# Altium PCB Cubli.PcbDoc (part 2 of 5) (continued)
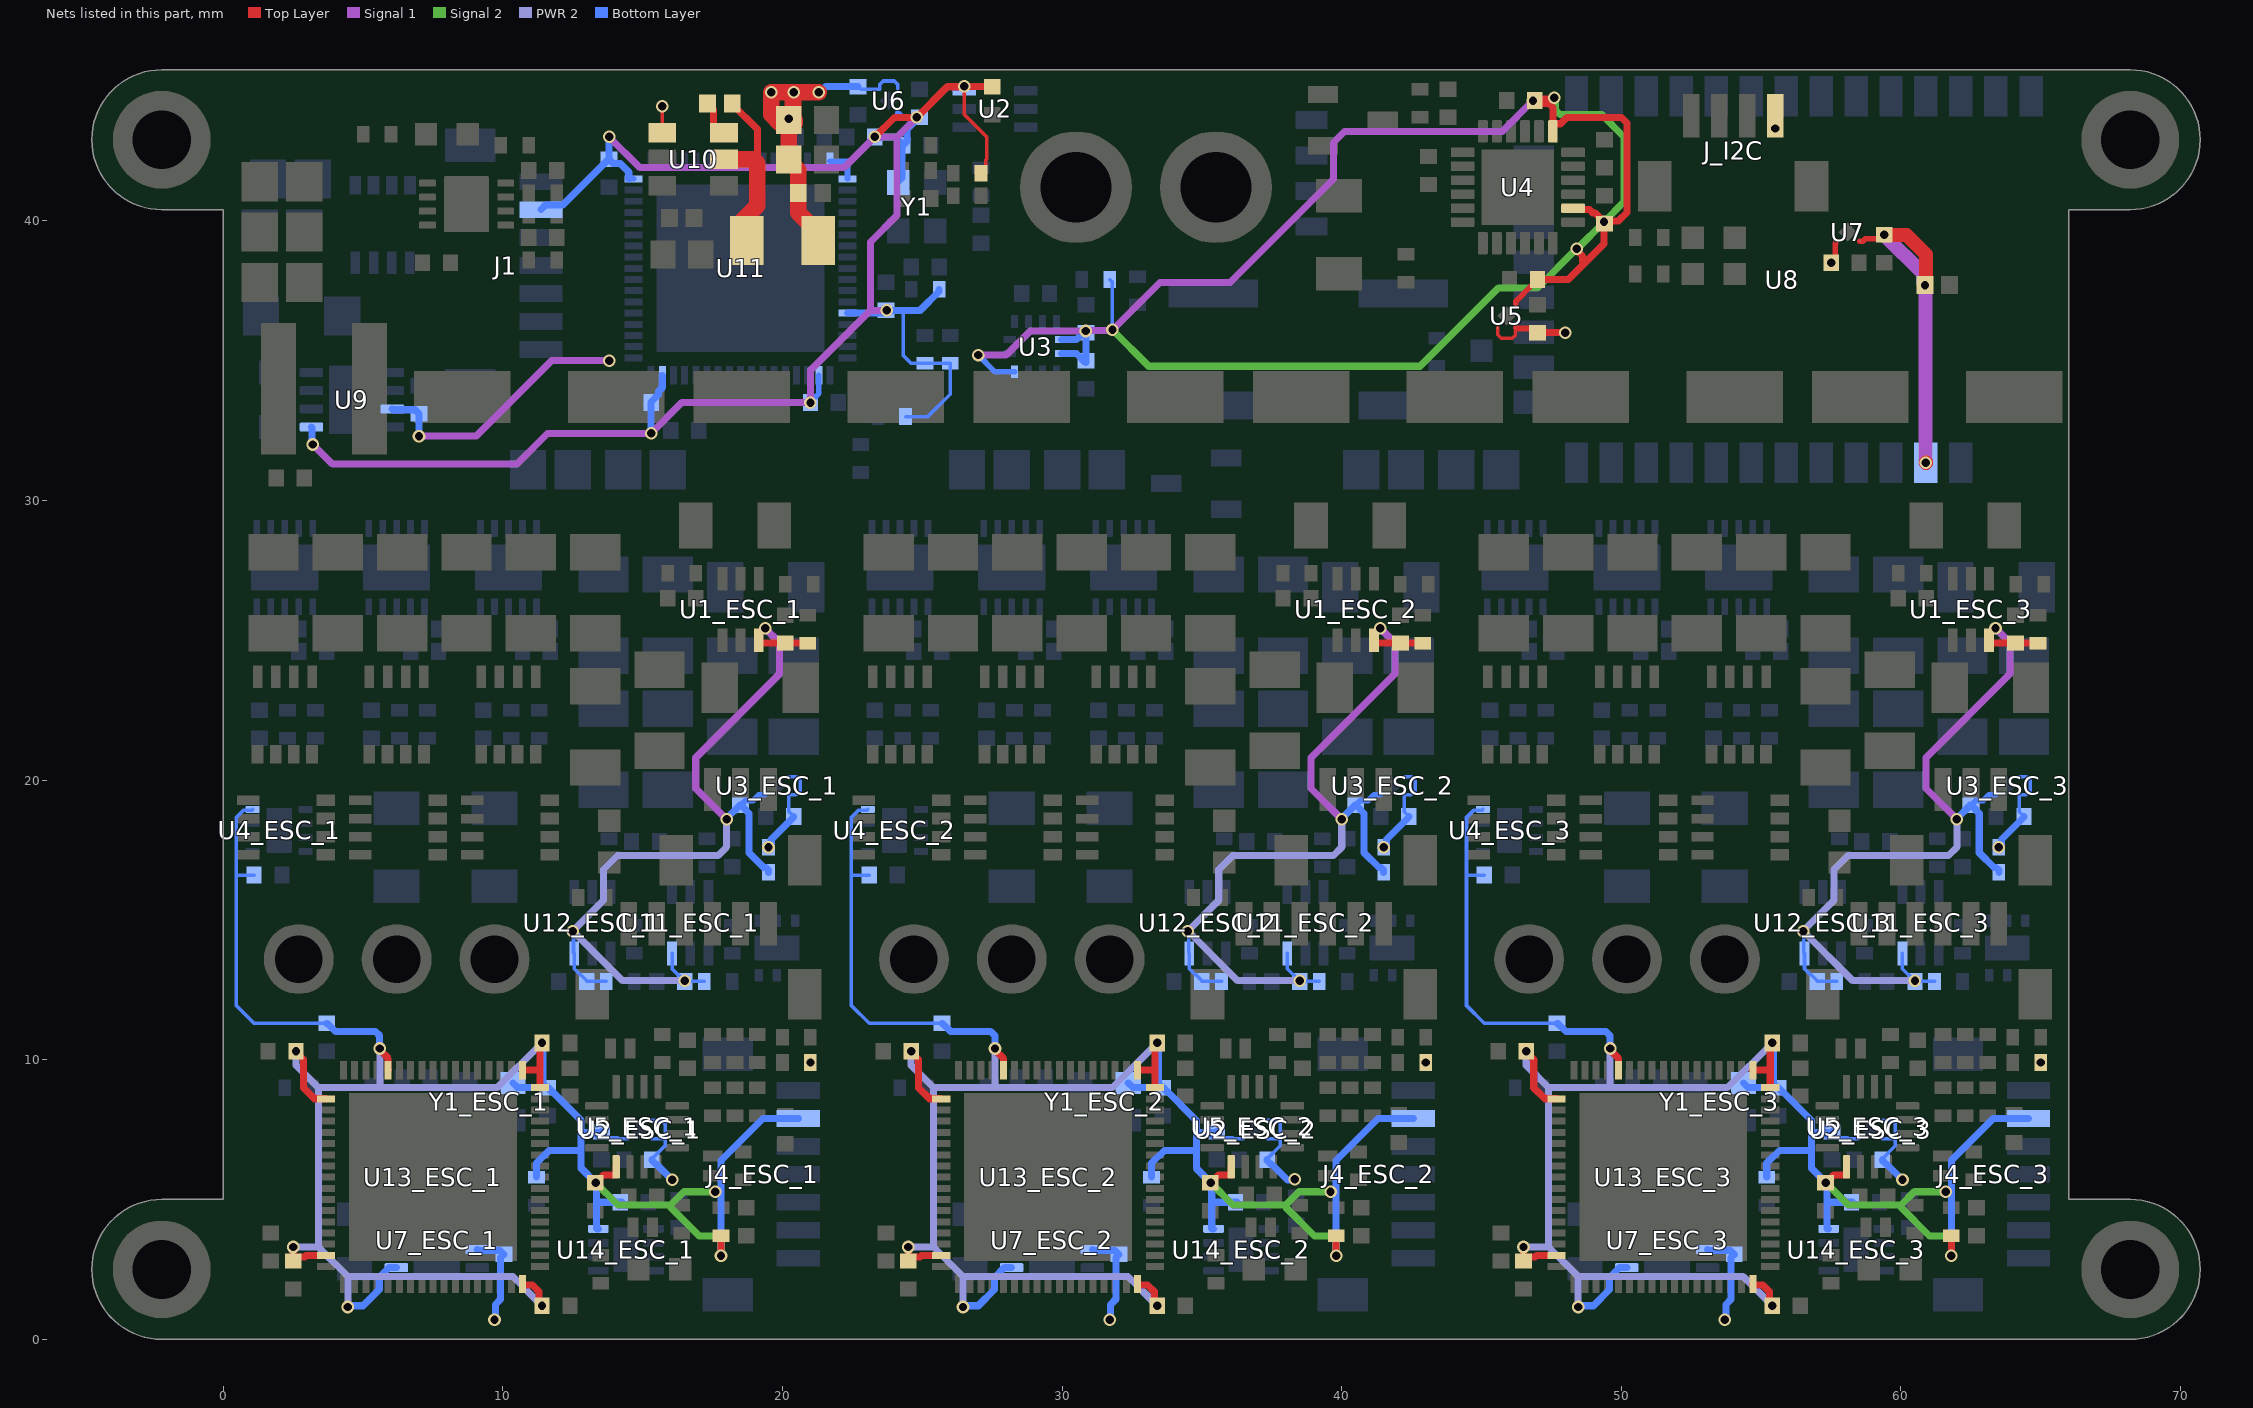
[diagram p8: the nets of this part, all layers, seen from the top]
## Part data (continued)
L2: library part MLP2520S4R7ST0S1, "FIXED IND 4.7UH 1A 110 MOHM SMD", Current Rating (Amps)=1A, DC Resistance (DCR)="143mOhm Max", Device Package="1008 (2520 Metric)", Inductance Frequency - Test=2MHz, Manufacturer="TDK Corporation", Operating Temperature="-40°C ~ 125°C", Supplier Part Number 1=445-6378-1-ND, Tolerance=±20%, ComponentLink1Description=Datasheet, ComponentLink1URL=https://product.tdk.com/info/en/catalog/datasheets/inductor_commercial_power_mlp2520_en.pdf?ref_disty=digikey, ComponentLink2Description="DigiKey Link", ComponentLink2URL=http://digikey.com/product-detail/en/tdk-corporation/MLP2520S4R7ST0S1/445-6378-1-ND/2465705, Height - Seated (Max)="0.039\" (1.00mm)", Inductance=4.7µH, LastUpdated="9/2/2020 1:29:23 AM", Lifecycle Status=Active, Material - Core=Ferrite, Minimum Order=1, Mounting Type="Surface Mount", Package / Case="1008 (2520 Metric)", Packaging=TapeAndReel, Part Number=MLP2520S4R7ST0S1, Part Status=Active, PartId=3467, Price=0.14, Series=MLP, Shielding=Shielded, Size / Dimension="0.098\" L x 0.079\" W (2.50mm x 2.00mm)", Supplier 1=DigiKey, Supplier Device Package="1008 (2520 Metric)", Type=Multilayer
Q1 Q1_ESC_1 Q1_ESC_2 Q1_ESC_3 Q2_ESC_1 Q2_ESC_2 Q2_ESC_3 Q3_ESC_1 Q3_ESC_2 Q3_ESC_3 Q4_ESC_1 Q4_ESC_2 Q4_ESC_3 Q5_ESC_1 Q5_ESC_2 Q5_ESC_3 Q6_ESC_1 Q6_ESC_2 Q6_ESC_3: "N-FET"
Q2 Q4: library part CMP-013-00037-2, "Small Signal Field-Effect Transistor", Max Operating Temperature=175°C, Min Operating Temperature=-55°C, RoHS Compliant=Yes, Transistor Type=n-FET
Q3: library part CMP-013-00035-1, "Power Field-Effect Transistor, 120A I(D), 60V, 0.0014ohm, 1-Element, N-Channel, Silicon, Metal-oxide Semiconductor FET", Case/Package=8-PowerVDFN, Max Operating Temperature=175°C, Min Operating Temperature=-55°C, Power=4.8W, Pins=8, RoHS Compliant=Yes, Transistor Type=n-FET
R1 R2_ESC_1 R2_ESC_2 R2_ESC_3 R3 R3_ESC_1 R3_ESC_2 R3_ESC_3 R4 R4_ESC_1 R4_ESC_2 R4_ESC_3 R5 R5_ESC_1 R5_ESC_2 R5_ESC_3 R6 R6_ESC_1 R6_ESC_2 R6_ESC_3 R7 R7_ESC_1 R7_ESC_2 R7_ESC_3 R8 R8_ESC_1 R8_ESC_2 R8_ESC_3 R9 R10 R10_ESC_1 R10_ESC_2 R10_ESC_3 R11_ESC_1 R11_ESC_2 R11_ESC_3 R12 R12_ESC_1 R12_ESC_2 R12_ESC_3 R13 R14 R15 R15_ESC_1 R15_ESC_2 R15_ESC_3 R16 R16_ESC_1 R16_ESC_2 R16_ESC_3 R17 R17_ESC_1 R17_ESC_2 R17_ESC_3 R18 R18_ESC_1 R18_ESC_2 R18_ESC_3 R19 R19_ESC_1 R19_ESC_2 R19_ESC_3 R20 R20_ESC_1 R20_ESC_2 R20_ESC_3 R21 R21_ESC_1 R21_ESC_2 R21_ESC_3 R22 R22_ESC_1 R22_ESC_2 R22_ESC_3 R23 R23_ESC_1 R23_ESC_2 R23_ESC_3 R24 R24_ESC_1 R24_ESC_2 R24_ESC_3 R25_ESC_1 R25_ESC_2 R25_ESC_3 R26_ESC_1 R26_ESC_2 R26_ESC_3 R27_ESC_1 R27_ESC_2 R27_ESC_3 R28_ESC_1 R28_ESC_2 R28_ESC_3 R29_ESC_1 R29_ESC_2 R29_ESC_3 R30_ESC_1 R30_ESC_2 R30_ESC_3 R31_ESC_1 R31_ESC_2 R31_ESC_3 R32_ESC_1 R32_ESC_2 R32_ESC_3 R33_ESC_1 R33_ESC_2 R33_ESC_3 R34_ESC_1 R34_ESC_2 R34_ESC_3 R35_ESC_1 R35_ESC_2 R35_ESC_3 R36_ESC_1 R36_ESC_2 R36_ESC_3 R37_ESC_1 R37_ESC_2 R37_ESC_3 R38_ESC_1 R38_ESC_2 R38_ESC_3: library part RES_0402, "RES 0402"
R1_ESC_1 R1_ESC_2 R1_ESC_3 R2 R13_ESC_1 R13_ESC_2 R13_ESC_3 R14_ESC_1 R14_ESC_2 R14_ESC_3: library part KRL1632E-M-R039-F-T5, "RES 0.039 OHM 1% 3/4W 1206", Device Package="1206 (3216 Metric)", Manufacturer=Susumu, Operating Temperature="-55°C ~ 155°C", Power (Watts)="0.75W, 3/4W", Ratings=AEC-Q200, Resistance="39 mOhms", Supplier Device Package=1206, Supplier Part Number 1=408-1577-1-ND, Temperature Coefficient=±50ppm/°C, Tolerance=±1%, ComponentLink1Description=Datasheet, ComponentLink1URL=http://www.susumu.co.jp/common/pdf/n_catalog_partition09_en.pdf, ComponentLink2Description="DigiKey Link", ComponentLink2URL=https://www.digikey.com/en/products/detail/susumu/KRL1632E-M-R039-F-T5/3738003, Composition="Metal Foil", Features="Automotive AEC-Q200, Current Sense", Height - Seated (Max)="0.028\" (0.70mm)", LastUpdated="2/9/2024 8:54:46 PM", Lifecycle Status=Active, Minimum Order=1, Number of Terminations=2, Package / Case="1206 (3216 Metric)", Packaging=TapeAndReel, Part Number=KRL1632E-M-R039-F-T5, Part Status=Active, PartId=26838, Price=0.09, Series=KRL, Size / Dimension="0.126\" L x 0.063\" W (3.20mm x 1.60mm)", Supplier 1=DigiKey
R9_ESC_1 R9_ESC_2 R9_ESC_3 R11: library part CMP-009-00189-2, "Res 60.4 Ohm 1% 1/8W 0805", Case/Package=0805, Power=125mW, Tolerance=1%, AECQ=Yes, Manufacturer Part Number=TFA0805R60R4F-T5, Mounting Technology=SMD, Pins=2
S1: "SWITCH TACTILE SPST-NO 0.02A 15V", Contact Rating @ Voltage="0.02A @ 15VDC", Manufacturer="Panasonic Electronic Components", Operating Force=350gf, Operating Temperature="-40°C ~ 85°C", Supplier Part Number 1=P12961SCT-ND, Actuator Height off PCB, Vertical=3.10mm, Actuator Orientation="Top Actuated", Actuator Type=Standard, Circuit=SPST-NO, ComponentLink1Description=Datasheet, ComponentLink1URL=https://industrial.panasonic.com/ac/cdn/e/control/switch/light-touch/catalog/sw_lt_eng_6s_th.pdf, ComponentLink2Description="DigiKey Link", ComponentLink2URL=http://digikey.com/product-detail/en/panasonic-electronic-components/EVQ-Q2Y03W/P12961SCT-ND/762951, Illumination=Non-Illuminated, LastUpdated="4/9/2020 9:55:13 AM", Lifecycle Status=Active, Minimum Order=1, Mounting Type="Surface Mount", Outline="6.50mm x 6.00mm", Packaging=TapeAndReel, Part Number=EVQ-Q2Y03W, Part Status=Active, Price=0.16, Series=EVQQ2, Supplier 1=DigiKey, Switch Function=Off-Mom, Termination Style="J Lead"
U1: "PFET Buck Controller"
U1_ESC_1 U1_ESC_2 U1_ESC_3 U2 U11_ESC_1 U11_ESC_2 U11_ESC_3 U12_ESC_1 U12_ESC_2 U12_ESC_3: "INA185A2"
U2_ESC_1 U2_ESC_2 U2_ESC_3 U3_ESC_1 U3_ESC_2 U3_ESC_3 U5 U6 U7: library part TLV74033PDQNR
U3: "Magnetometer"
U4_ESC_1 U4_ESC_2 U4_ESC_3: "I2C TEMP SENSOR"
U5_ESC_1 U5_ESC_2 U5_ESC_3: library part LM2901Q4T, "Comparator General Purpose CMOS, DTL, MOS, Open-Collector, TTL 16-QFN (3x3)"
U6_ESC_1 U6_ESC_2 U6_ESC_3: library part TPS22810DRVR, "Load switch TPS22810DRVR"
U7_ESC_1 U7_ESC_2 U7_ESC_3 U9: library part CMP-031-00007-3, "Interface Circuit, PDSO8", Case/Package="8-HVSON (3x3)", Max Operating Temperature=150°C, Min Operating Temperature=-40°C, AECQ=Yes, Pins=8
U8: "802.15.4 Zigbee Transceiver Module 2.4GHz Antenna Not Included, U.FL Surface Mount", Package="SMD-34 Digi International", Availability=Unavailable, MF="Digi International", MP=XB3-24Z8UM-J, Price=None, SnapEDA_Link=https://www.snapeda.com/parts/XB3-24Z8UM-J/Digi%20International/view-part/2762908/?ref=snap
U8_ESC_1 U8_ESC_2 U8_ESC_3 U9_ESC_1 U9_ESC_2 U9_ESC_3 U10_ESC_1 U10_ESC_2 U10_ESC_3: library part UCC27282DRCR, "3-A, 120-V half bridge gate driver with 5-V UVLO, interlock and enable 10-VSON -40 to 125", Package="VSON-10 Texas Instruments", Availability=Warning, DigiKey-Purchase-URL=https://snapeda.com/shop?store=DigiKey&id=3625400, MF="Texas Instruments", MP=UCC27282DRCR, Price=None, SnapEDA_Link=https://www.snapeda.com/parts/UCC27282DRCR/Texas%20Instruments/view-part/3625400/?ref=snap, Texas_Instruments-Purchase-URL=https://snapeda.com/shop?store=Texas+Instruments&id=3625400
U10: library part AP63205WU-7, "5V fixed step down Buck"
U14_ESC_1 U14_ESC_2 U14_ESC_3: "11-V, 1-A H-bridge motor driver 8-WSON -40 to 85", Package="WSON-8 Texas Instruments", Availability=Good, DigiKey-Purchase-URL=https://snapeda.com/shop?store=DigiKey&id=617854, MF="Texas Instruments", Mouser-Purchase-URL=https://snapeda.com/shop?store=Mouser&id=617854, MP=DRV8837CDSGR, Price=None, SnapEDA_Link=https://www.snapeda.com/parts/DRV8837CDSGR/Texas%20Instruments/view-part/617854/?ref=snap, Texas_Instruments-Purchase-URL=https://snapeda.com/shop?store=Texas+Instruments&id=617854
Y1 Y1_ESC_1 Y1_ESC_2 Y1_ESC_3: library part ASD3-27.000MHZ-EC-T, "XTAL OSC XO 27.0000MHZ HCMOS SMD", Current - Supply (Max)=4mA, Frequency Stability=±50ppm, Manufacturer="Abracon LLC", Operating Temperature="-20°C ~ 70°C", Package / Case="4-SMD, No Lead", Supplier Part Number 1=535-9608-1-ND, Voltage - Supply=1.8V, Base Resonator=Crystal, ComponentLink1Description=Datasheet, ComponentLink1URL=https://abracon.com/Oscillators/ASDseries.pdf, ComponentLink2Description="DigiKey Link", ComponentLink2URL=http://digikey.com/product-detail/en/abracon-llc/ASD3-27.000MHZ-EC-T/535-9608-1-ND/1237075, Frequency=27MHz, Function=Enable/Disable, Height - Seated (Max)="0.039\" (1.00mm)", LastUpdated="6/3/2024 8:02:05 PM", Lifecycle Status=Active, Minimum Order=1, Mounting Type="Surface Mount", Output=HCMOS, Packaging=TapeAndReel, Part Number=ASD3-27.000MHZ-EC-T, Part Status=Active, PartId=4, Price=1.74, Series=ASD, Size / Dimension="0.098\" L x 0.079\" W (2.50mm x 2.00mm)", Supplier 1=DigiKey, Type="XO (Standard)"

## Free pads (board coordinates)
  round 3.5 hole 2.1: 2(-2.2,42.9) 2(-2.2,2.5) 2(68.2,42.9) 2(68.2,2.5)

## Via types
v1: diameter 0.45, hole 0.3, Top Layer to Bottom Layer, tented both sides, 853 vias
v2: diameter 0.4, hole 0.3, Top Layer to Bottom Layer, tented both sides, 63 vias

## Nets (pads, with @x,y where several pads share a name; then routed paths per layer and width w, separated by ;. In a path a pad name is that pad's centre, name@x,y a point inside that pad or via, vN(x,y) a via of type N, cw(c..) or ccw(c..) an arc to the next point about the centre after c; other vN are vias at no path point)
3V3_IMU: C11.1 C12.1 C13.1 C14.1 C19.2 R15.1 U3.5 U3.6 U3.10 U4.8 U4.13 U5.1 | length 77.7
  Top Layer w0.2: U5.1@46.225,37.03 46.225,37.12 46.804,37.7 46.825,37.7 C19.2@47,37.875
  Top Layer w0.254: C19.2@47,37.875 C19.2@47,37.9 48.1,37.9 48.672,38.472 ; U4.13@47.55,43.2 U4.13@47.55,43.425 ; v1(47.6,44.4) 47.562,44.362 46.902,44.362 v1(46.84,44.3) 46.94,44.2 47.401,44.2 47.55,44.051 U4.13@47.55,43.425 ; U4.8@48.275,40.45 48.323,40.402 48.859,40.402 48.975,40.286 49.054,40.286 v1(49.38,39.96) ; v1(48.4,39) 48.4,38.947 48.605,38.742 48.605,38.538 48.672,38.472 ; C14.1@49.4,39.96 v1(49.38,39.96) ; U4.13@47.55,43.425 47.598,43.473 47.823,43.473 48.05,43.7 50,43.7 50.2,43.5 50.2,40.3 49.9,40 49.42,40 v1(49.38,39.96) ; 48.672,38.472 49.38,39.18 v1(49.38,39.96)
  Signal 1 w0.254: v1(27,35.2) 28,35.2 28.86,36.06 v1(30.85,36.06) 30.87,36.08 31.78,36.08 v1(31.8,36.1) 33.5,37.8 36,37.8 39.7,41.5 39.7,42.8 40.1,43.2 45.74,43.2 v1(46.84,44.3) 47.447,44.3 47.547,44.4 v1(47.6,44.4)
  Signal 2 w0.254: v1(30.85,36.06) 30.87,36.08 31.78,36.08 v1(31.8,36.1) 33.1,34.8 42.8,34.8 45.6,37.6 47,37.6 v1(48.4,39) 48.42,39 v1(49.38,39.96) 50.1,40.68 50.1,43 49.3,43.8 47.8,43.8 47.638,43.962 47.638,44.362 v1(47.6,44.4) 47.547,44.4 47.447,44.3 v1(46.84,44.3)
  Bottom Layer w0.127: R15.1@31.7,37.9 31.8,37.8 v1(31.8,36.1)
  Bottom Layer w0.2: v1(27,35.2) 27.6,34.6 U3.10@28.3,34.6
  Bottom Layer w0.254: v1@26.981,35.2 v1(27,35.2) ; U3.6@29.975,35.25 30.52,35.25 30.83,34.94 30.85,34.94 v1(30.85,36.06) ; U3.5@29.975,35.75 30.52,35.75 30.83,36.06 v1(30.85,36.06) ; C12.1@30.87,36.06 v1(30.85,36.06) ; v1(31.8,36.1) 31.78,36.08 30.87,36.08 v1(30.85,36.06)
3V3_LOGIC_ESC_1: C1_ESC_1.1 C22_ESC_1.2 C37_ESC_1.1 C38_ESC_1.1 R3_ESC_1.1 R7_ESC_1.2 R29_ESC_1.1 R30_ESC_1.1 U1_ESC_1.3 U3_ESC_1.1 U11_ESC_1.3 U12_ESC_1.3 | length 33.8
  Top Layer w0.254: v1(19.38,25.431) 19.331,25.431 19.15,25.25 U1_ESC_1.3@19.15,25 19.15,24.948 19.198,24.9 C1_ESC_1.1@20.1,24.9 R3_ESC_1.1@20.9,24.9
  Signal 1 w0.254: v1(18,18.598) 16.898,19.7 16.898,20.798 19.9,23.8 19.9,24.911 v1(19.38,25.431)
  PWR 2 w0.254: v1(16.5,12.825) 14.275,12.825 v1(12.5,14.6) 13.6,15.7 13.6,16.8 14.1,17.3 17.7,17.3 18,17.6 v1(18,18.598)
  Bottom Layer w0.127: v1(12.5,14.6) 12.525,14.575 12.525,13.825 U12_ESC_1.3@12.55,13.8 12.55,13.25 12.763,13.036 12.788,13.036 13,12.825 C38_ESC_1.1@13,12.8 R30_ESC_1.1@13.7,12.8 ; U11_ESC_1.3@16.05,13.8 16.05,13.25 16.264,13.037 16.288,13.037 v1(16.5,12.825) C37_ESC_1.1@16.5,12.8 R29_ESC_1.1@17.2,12.8 ; C22_ESC_1.2@18.5,19.1 C22_ESC_1.2@18.712,19.312
  Bottom Layer w0.2: C22_ESC_1.2@18.5,19.1 18.66,19.26 18.939,19.26 19.154,19.475 U3_ESC_1.1@19.37,19.475
  Bottom Layer w0.254: v1(18,18.598) 18,18.625 18.475,19.1 C22_ESC_1.2@18.5,19.1 18.525,19.1 18.673,18.952 18.673,18.927 18.8,18.8 18.8,17.4 19.327,16.873 19.402,16.873 19.5,16.775 R7_ESC_1.2@19.5,16.7
3V3_LOGIC_ESC_2: C1_ESC_2.1 C22_ESC_2.2 C37_ESC_2.1 C38_ESC_2.1 R3_ESC_2.1 R7_ESC_2.2 R29_ESC_2.1 R30_ESC_2.1 U1_ESC_2.3 U3_ESC_2.1 U11_ESC_2.3 U12_ESC_2.3 | length 33.8
  Top Layer w0.254: v1(41.38,25.431) 41.331,25.431 41.15,25.25 U1_ESC_2.3@41.15,25 41.15,24.948 41.198,24.9 C1_ESC_2.1@42.1,24.9 R3_ESC_2.1@42.9,24.9
  Signal 1 w0.254: v1(40,18.598) 38.898,19.7 38.898,20.798 41.9,23.8 41.9,24.911 v1(41.38,25.431)
  PWR 2 w0.254: v1(38.5,12.825) 36.275,12.825 v1(34.5,14.6) 35.6,15.7 35.6,16.8 36.1,17.3 39.7,17.3 40,17.6 v1(40,18.598)
  Bottom Layer w0.127: v1(34.5,14.6) 34.525,14.575 34.525,13.825 U12_ESC_2.3@34.55,13.8 34.55,13.25 34.763,13.036 34.788,13.036 35,12.825 C38_ESC_2.1@35,12.8 R30_ESC_2.1@35.7,12.8 ; U11_ESC_2.3@38.05,13.8 38.05,13.25 38.263,13.037 38.288,13.037 v1(38.5,12.825) C37_ESC_2.1@38.5,12.8 R29_ESC_2.1@39.2,12.8 ; C22_ESC_2.2@40.5,19.1 C22_ESC_2.2@40.711,19.312
  Bottom Layer w0.2: C22_ESC_2.2@40.5,19.1 40.66,19.26 40.939,19.26 41.154,19.475 U3_ESC_2.1@41.37,19.475
  Bottom Layer w0.254: v1(40,18.598) 40,18.625 40.475,19.1 C22_ESC_2.2@40.5,19.1 40.525,19.1 40.673,18.952 40.673,18.927 40.8,18.8 40.8,17.4 41.327,16.873 41.402,16.873 41.5,16.775 R7_ESC_2.2@41.5,16.7
3V3_LOGIC_ESC_3: C1_ESC_3.1 C22_ESC_3.2 C37_ESC_3.1 C38_ESC_3.1 R3_ESC_3.1 R7_ESC_3.2 R29_ESC_3.1 R30_ESC_3.1 U1_ESC_3.3 U3_ESC_3.1 U11_ESC_3.3 U12_ESC_3.3 | length 33.8
  Top Layer w0.254: v1(63.38,25.431) 63.331,25.431 63.15,25.25 U1_ESC_3.3@63.15,25 63.15,24.948 63.198,24.9 C1_ESC_3.1@64.1,24.9 R3_ESC_3.1@64.9,24.9
  Signal 1 w0.254: v1(62,18.598) 60.898,19.7 60.898,20.798 63.9,23.8 63.9,24.911 v1(63.38,25.431)
  PWR 2 w0.254: v1(60.5,12.825) 58.275,12.825 v1(56.5,14.6) 57.6,15.7 57.6,16.8 58.1,17.3 61.7,17.3 62,17.6 v1(62,18.598)
  Bottom Layer w0.127: v1(56.5,14.6) 56.525,14.575 56.525,13.825 U12_ESC_3.3@56.55,13.8 56.55,13.25 56.763,13.036 56.788,13.036 57,12.825 C38_ESC_3.1@57,12.8 R30_ESC_3.1@57.7,12.8 ; U11_ESC_3.3@60.05,13.8 60.05,13.25 60.263,13.037 60.288,13.037 v1(60.5,12.825) C37_ESC_3.1@60.5,12.8 R29_ESC_3.1@61.2,12.8 ; C22_ESC_3.2@62.5,19.1 C22_ESC_3.2@62.711,19.312
  Bottom Layer w0.2: C22_ESC_3.2@62.5,19.1 62.66,19.26 62.939,19.26 63.154,19.475 U3_ESC_3.1@63.37,19.475
  Bottom Layer w0.254: v1(62,18.598) 62,18.625 62.475,19.1 C22_ESC_3.2@62.5,19.1 62.525,19.1 62.673,18.952 62.673,18.927 62.8,18.8 62.8,17.4 63.327,16.873 63.402,16.873 63.5,16.775 R7_ESC_3.2@63.5,16.7
3V3_MAIN: C9.1 C21.2 C38.2 C39.2 C40.2 C41.2 C42.2 C46.2 J1.2 R7.1 R9.1 R10.1 R14.2 R19.1 U2.3 U6.1 U9.5 U11.1 U11.13 U11.19 U11.33 U11.51 U11.68 Y1.4 | length 78.1
  Top Layer w0.127: v1(26.5,44.816) 26.5,43.8 27.3,43 27.3,42.2 27.261,42.162 27.261,41.861 R7.1@27.1,41.7
  Top Layer w0.254: v1(23.3,43) 24,43.7 v1(24.8,43.7) 25.894,44.794 26.478,44.794 v1(26.5,44.816) 26.508,44.808 27.492,44.808 C9.1@27.5,44.8
  Signal 1 w0.254: v1(3.2,32) 3.9,31.3 10.5,31.3 11.6,32.4 v1(15.3,32.4) 16.4,33.5 v1(21,33.5) 21,34.656 23.144,36.8 ; v1(13.8,43) 14.9,41.9 22.2,41.9 v1(23.3,43) 24.1,43 ; v1(23.725,36.8) 23.144,36.8 ; v1(24.8,43.7) 24.1,43 ; 23.144,36.8 23.144,39.244 24.1,40.2 24.1,43
  Bottom Layer w0.127: 24.325,36.8 24.325,35.175 24.6,34.9 R10.1@25.1,34.9 R9.1@26,34.9 26,33.8 25.2,33 R19.1@24.4,33 ; U2.3@26.5,44.65 v1(26.5,44.816)
  Bottom Layer w0.2: U11.51@14.475,41.5 14.502,41.5 U11.51@14.675,41.5 ; v1(21,33.5) 21,33.525 21.3,33.825 U11.19@21.3,34.475 ; U11.68@21.7,42.125 22.325,42.125 ; U11.1@22.325,41.5 22.325,42.125 ; C39.2@23.5,43.2 23.475,43.2 23.3,43.025 v1(23.3,43) 23.3,42.975 22.45,42.125 22.325,42.125 ; U6.1@24.125,43.87 24.3,43.695 24.8,43.695 24.882,43.695 24.888,43.7 C21.2@24.894,43.706 ; Y1.4@24.135,41.365 24.3,41.53 C38.2@24.3,42.7
  Bottom Layer w0.254: U9.5@3.155,32.625 3.178,32.602 3.178,32.022 v1(3.2,32) ; J1.2@11.362,40.4 11.535,40.573 12.148,40.573 13.775,42.2 C41.2@13.8,42.2 ; v1(13.8,43) C41.2@13.8,42.2 ; U11.51@14.502,41.5 14.5,41.502 14.5,41.751 14.199,42.052 13.948,42.052 C41.2@13.8,42.2 ; v1(15.3,32.4) C42.2@15.3,33.5 ; C42.2@15.3,33.525 15.571,33.796 15.571,33.905 15.698,34.032 15.698,34.473 U11.33@15.7,34.475 ; C46.2@21,33.475 v1(21,33.5) ; U11.13@22.325,36.7 22.327,36.702 23.602,36.702 C40.2@23.7,36.8 ; v1(23.3,43) 24.025,43 24.3,42.725 C38.2@24.3,42.7 24.448,42.848 24.448,43.273 24.8,43.625 24.8,43.695 v1(24.8,43.7) ; v1(23.725,36.8) 24.325,36.8 24.925,36.8 25.6,37.475 R14.2@25.6,37.55 ; C21.2@24.888,43.7 C21.2@24.9,43.7
3V3_MCU_ESC_1: C12_ESC_1.2 C24_ESC_1.2 C25_ESC_1.2 C43_ESC_1.2 C44_ESC_1.2 C45_ESC_1.2 C46_ESC_1.2 C47_ESC_1.2 C51_ESC_1.2 C52_ESC_1.2 J4_ESC_1.2 R35_ESC_1.2 R36_ESC_1.1 U2_ESC_1.1 U4_ESC_1.8 U5_ESC_1.1 U7_ESC_1.5 U13_ESC_1.1 U13_ESC_1.13 U13_ESC_1.19 U13_ESC_1.33 U13_ESC_1.51 U13_ESC_1.68 U14_ESC_1.8 Y1_ESC_1.4 | length 84.2
  Top Layer w0.254: v1(2.5,3.3) C47_ESC_1.2@2.5,2.8 2.648,2.948 2.917,2.948 2.969,3 U13_ESC_1.33@3.675,3 ; v1(2.6,10.3) 2.6,10.275 2.869,10.006 2.869,8.997 3.264,8.602 3.673,8.602 U13_ESC_1.19@3.675,8.6 ; v1(5.6,10.4) 5.6,10.347 5.898,10.049 5.898,9.627 U13_ESC_1.13@5.9,9.625 ; U13_ESC_1.51@10.7,1.975 10.7,1.943 10.702,1.941 11.059,1.941 11.297,1.703 11.297,1.303 v1(11.4,1.2) ; U13_ESC_1.1@10.7,9.625 11.325,9.625 ; U13_ESC_1.68@11.325,9 11.325,9.625 ; v1(11.4,10.6) 11.325,10.525 11.325,9.625 ; C24_ESC_1.2@13.3,5.6 v1(13.316,5.6) 13.325,5.6 13.597,5.872 14.047,5.872 14.05,5.875 U5_ESC_1.1@14.05,6.165 ; v1(17.8,2.984) R35_ESC_1.2@17.8,3.7
  Signal 2 w0.254: v1(13.316,5.6) 14.115,4.8 16,4.8 ; v1@17.587,5.243 v1@17.587,5.277 ; v1(17.6,5.277) 16.477,5.277 16,4.8 ; v1(17.8,2.984) 17.8,3.551 17.651,3.7 17.023,3.7 16,4.723 16,4.8
  PWR 2 w0.254: v1(2.5,3.3) 3.4,3.3 ; v1(2.6,10.3) 2.6,9.8 3.4,9 ; v1(4.456,1.156) 4.456,2.244 ; v1(5.6,10.4) 5.6,9 ; v1(11.4,1.2) 10.356,2.244 4.456,2.244 ; v1(11.4,10.6) 9.8,9 5.6,9 ; 3.4,3.3 4.456,2.244 ; 3.4,3.3 3.4,9 ; 3.4,9 5.6,9
  Bottom Layer w0.127: U4_ESC_1.8@1.05,18.95 1.014,18.914 0.714,18.914 0.461,18.661 0.461,16.6 ; C25_ESC_1.2@1.1,16.6 0.461,16.6 ; C45_ESC_1.2@3.7,11.3 1.1,11.3 0.461,11.939 0.461,16.6 ; C12_ESC_1.2@13.53,7.425 13.741,7.213 14.099,7.213 14.137,7.175 U2_ESC_1.1@14.47,7.175
  Bottom Layer w0.254: C45_ESC_1.2@3.7,11.3 3.725,11.3 4.019,11.006 5.445,11.006 5.594,10.857 5.594,10.406 v1(5.6,10.4) ; v1(4.456,1.156) 4.509,1.156 4.553,1.2 5,1.2 5.579,1.779 5.579,2.209 5.932,2.563 U7_ESC_1.5@6.192,2.563 ; Y1_ESC_1.4@10.365,9.165 10.53,9 C51_ESC_1.2@11.575,9 ; R36_ESC_1.1@11.2,5.8 11.2,6.3 11.658,6.758 12.8,6.758 ; v1(11.4,10.6) 11.438,10.562 11.438,9.148 11.586,9 C51_ESC_1.2@11.6,9 ; C51_ESC_1.2@11.748,8.852 C51_ESC_1.2@11.6,9 ; C12_ESC_1.2@13.382,7.277 C12_ESC_1.2@13.53,7.425 ; C12_ESC_1.2@13.382,7.4 12.8,7.4 ; U14_ESC_1.8@13.415,3.95 13.366,3.95 13.353,3.963 13.353,4.9 ; C52_ESC_1.2@14.26,4.9 C52_ESC_1.2@14.2,4.9 13.353,4.9 ; v1(17.6,5.277) 17.638,5.239 17.761,5.239 v1@17.8,5.2 ; v1(17.8,2.984) v1@17.8,5.2 ; J4_ESC_1.2@20.562,7.9 19.3,7.9 17.8,6.4 v1@17.8,5.2 ; C51_ESC_1.2@11.6,9 11.625,9 12.8,7.825 12.8,7.4 ; 12.8,6.758 12.8,7.4 ; 12.8,6.758 12.8,6.115 v1(13.316,5.6) 13.353,5.562 13.353,4.9
3V3_MCU_ESC_2: C12_ESC_2.2 C24_ESC_2.2 C25_ESC_2.2 C43_ESC_2.2 C44_ESC_2.2 C45_ESC_2.2 C46_ESC_2.2 C47_ESC_2.2 C51_ESC_2.2 C52_ESC_2.2 J4_ESC_2.2 R35_ESC_2.2 R36_ESC_2.1 U2_ESC_2.1 U4_ESC_2.8 U5_ESC_2.1 U7_ESC_2.5 U13_ESC_2.1 U13_ESC_2.13 U13_ESC_2.19 U13_ESC_2.33 U13_ESC_2.51 U13_ESC_2.68 U14_ESC_2.8 Y1_ESC_2.4 | length 84.2
  Top Layer w0.254: v1(24.5,3.3) C47_ESC_2.2@24.5,2.8 24.648,2.948 24.917,2.948 24.969,3 U13_ESC_2.33@25.675,3 ; v1(24.6,10.3) 24.6,10.275 24.869,10.006 24.869,8.997 25.264,8.602 25.673,8.602 U13_ESC_2.19@25.675,8.6 ; v1(27.6,10.4) 27.6,10.347 27.898,10.049 27.898,9.627 U13_ESC_2.13@27.9,9.625 ; U13_ESC_2.51@32.7,1.975 32.7,1.943 32.702,1.941 33.059,1.941 33.297,1.703 33.297,1.303 v1(33.4,1.2) ; U13_ESC_2.1@32.7,9.625 33.325,9.625 ; U13_ESC_2.68@33.325,9 33.325,9.625 ; v1(33.4,10.6) 33.325,10.525 33.325,9.625 ; C24_ESC_2.2@35.3,5.6 v1(35.315,5.6) 35.325,5.6 35.597,5.872 36.047,5.872 36.05,5.875 U5_ESC_2.1@36.05,6.165 ; v1(39.8,2.984) R35_ESC_2.2@39.8,3.7
  Signal 2 w0.254: v1(35.315,5.6) 36.115,4.8 38,4.8 ; v1@39.587,5.243 v1@39.587,5.277 ; v1(39.6,5.277) 38.477,5.277 38,4.8 ; v1(39.8,2.984) 39.8,3.551 39.651,3.7 39.023,3.7 38,4.723 38,4.8
  PWR 2 w0.254: v1(24.5,3.3) 25.4,3.3 ; v1(24.6,10.3) 24.6,9.8 25.4,9 ; v1(26.456,1.156) 26.456,2.244 ; v1(27.6,10.4) 27.6,9 ; v1(33.4,1.2) 32.356,2.244 26.456,2.244 ; v1(33.4,10.6) 31.8,9 27.6,9 ; 25.4,3.3 25.4,9 ; 25.4,3.3 26.456,2.244 ; 25.4,9 27.6,9
  Bottom Layer w0.127: U4_ESC_2.8@23.05,18.95 23.014,18.914 22.714,18.914 22.461,18.661 22.461,16.6 ; C25_ESC_2.2@23.1,16.6 22.461,16.6 ; C45_ESC_2.2@25.7,11.3 23.1,11.3 22.461,11.939 22.461,16.6 ; C12_ESC_2.2@35.53,7.425 35.741,7.213 36.099,7.213 36.137,7.175 U2_ESC_2.1@36.47,7.175
  Bottom Layer w0.254: C45_ESC_2.2@25.7,11.3 25.725,11.3 26.019,11.006 27.445,11.006 27.594,10.857 27.594,10.406 v1(27.6,10.4) ; v1(26.456,1.156) 26.509,1.156 26.553,1.2 27,1.2 27.579,1.779 27.579,2.209 27.932,2.563 U7_ESC_2.5@28.192,2.562 ; Y1_ESC_2.4@32.365,9.165 32.53,9 C51_ESC_2.2@33.575,9 ; R36_ESC_2.1@33.2,5.8 33.2,6.3 33.658,6.758 34.8,6.758 ; v1(33.4,10.6) 33.437,10.562 33.437,9.148 33.586,9 C51_ESC_2.2@33.6,9 ; C51_ESC_2.2@33.748,8.852 C51_ESC_2.2@33.6,9 ; C12_ESC_2.2@35.382,7.277 C12_ESC_2.2@35.53,7.425 ; C12_ESC_2.2@35.382,7.4 34.8,7.4 ; U14_ESC_2.8@35.415,3.95 35.366,3.95 35.353,3.963 35.353,4.9 ; C52_ESC_2.2@36.26,4.9 C52_ESC_2.2@36.2,4.9 35.353,4.9 ; v1(39.6,5.277) 39.638,5.239 39.76,5.239 v1@39.8,5.2 ; v1(39.8,2.984) v1@39.8,5.2 ; J4_ESC_2.2@42.563,7.9 41.3,7.9 39.8,6.4 v1@39.8,5.2 ; C51_ESC_2.2@33.6,9 33.625,9 34.8,7.825 34.8,7.4 ; 34.8,6.758 34.8,6.115 v1(35.315,5.6) 35.353,5.562 35.353,4.9 ; 34.8,6.758 34.8,7.4
3V3_MCU_ESC_3: C12_ESC_3.2 C24_ESC_3.2 C25_ESC_3.2 C43_ESC_3.2 C44_ESC_3.2 C45_ESC_3.2 C46_ESC_3.2 C47_ESC_3.2 C51_ESC_3.2 C52_ESC_3.2 J4_ESC_3.2 R35_ESC_3.2 R36_ESC_3.1 U2_ESC_3.1 U4_ESC_3.8 U5_ESC_3.1 U7_ESC_3.5 U13_ESC_3.1 U13_ESC_3.13 U13_ESC_3.19 U13_ESC_3.33 U13_ESC_3.51 U13_ESC_3.68 U14_ESC_3.8 Y1_ESC_3.4 | length 84.2
  Top Layer w0.254: v1(46.5,3.3) C47_ESC_3.2@46.5,2.8 46.648,2.948 46.917,2.948 46.969,3 U13_ESC_3.33@47.675,3 ; v1(46.6,10.3) 46.6,10.275 46.869,10.006 46.869,8.997 47.264,8.602 47.673,8.602 U13_ESC_3.19@47.675,8.6 ; v1(49.6,10.4) 49.6,10.347 49.898,10.049 49.898,9.627 U13_ESC_3.13@49.9,9.625 ; U13_ESC_3.51@54.7,1.975 54.7,1.943 54.702,1.941 55.059,1.941 55.297,1.703 55.297,1.303 v1(55.4,1.2) ; U13_ESC_3.1@54.7,9.625 55.325,9.625 ; U13_ESC_3.68@55.325,9 55.325,9.625 ; v1(55.4,10.6) 55.325,10.525 55.325,9.625 ; C24_ESC_3.2@57.3,5.6 v1(57.315,5.6) 57.325,5.6 57.597,5.872 58.047,5.872 58.05,5.875 U5_ESC_3.1@58.05,6.165 ; v1(61.8,2.984) R35_ESC_3.2@61.8,3.7
  Signal 2 w0.254: v1(57.315,5.6) 58.115,4.8 60,4.8 ; v1@61.587,5.243 v1@61.587,5.277 ; v1(61.6,5.277) 60.477,5.277 60,4.8 ; v1(61.8,2.984) 61.8,3.551 61.651,3.7 61.023,3.7 60,4.723 60,4.8
  PWR 2 w0.254: v1(46.5,3.3) 47.4,3.3 ; v1(46.6,10.3) 46.6,9.8 47.4,9 ; v1(48.456,1.156) 48.456,2.244 ; v1(49.6,10.4) 49.6,9 ; v1(55.4,1.2) 54.356,2.244 48.456,2.244 ; v1(55.4,10.6) 53.8,9 49.6,9 ; 47.4,3.3 47.4,9 ; 47.4,3.3 48.456,2.244 ; 47.4,9 49.6,9
  Bottom Layer w0.127: U4_ESC_3.8@45.05,18.95 45.014,18.914 44.714,18.914 44.461,18.661 44.461,16.6 ; C25_ESC_3.2@45.1,16.6 44.461,16.6 ; C45_ESC_3.2@47.7,11.3 45.1,11.3 44.461,11.939 44.461,16.6 ; C12_ESC_3.2@57.53,7.425 57.741,7.213 58.099,7.213 58.137,7.175 U2_ESC_3.1@58.47,7.175
  Bottom Layer w0.254: C45_ESC_3.2@47.7,11.3 47.725,11.3 48.019,11.006 49.445,11.006 49.594,10.857 49.594,10.406 v1(49.6,10.4) ; v1(48.456,1.156) 48.509,1.156 48.553,1.2 49,1.2 49.579,1.779 49.579,2.209 49.932,2.563 U7_ESC_3.5@50.192,2.562 ; Y1_ESC_3.4@54.365,9.165 54.53,9 C51_ESC_3.2@55.575,9 ; R36_ESC_3.1@55.2,5.8 55.2,6.3 55.658,6.758 56.8,6.758 ; v1(55.4,10.6) 55.437,10.562 55.437,9.148 55.585,9 C51_ESC_3.2@55.6,9 ; C51_ESC_3.2@55.748,8.852 C51_ESC_3.2@55.6,9 ; C12_ESC_3.2@57.382,7.277 C12_ESC_3.2@57.53,7.425 ; C12_ESC_3.2@57.382,7.4 56.8,7.4 ; U14_ESC_3.8@57.415,3.95 57.366,3.95 57.353,3.963 57.353,4.9 ; C52_ESC_3.2@58.26,4.9 58.2,4.9 57.353,4.9 ; v1(61.6,5.277) 61.637,5.239 61.76,5.239 v1@61.8,5.2 ; v1(61.8,2.984) v1@61.8,5.2 ; J4_ESC_3.2@64.563,7.9 63.3,7.9 61.8,6.4 v1@61.8,5.2 ; C51_ESC_3.2@55.6,9 55.625,9 55.76,8.864 56.8,7.825 56.8,7.4 ; 56.8,6.758 56.8,6.115 v1(57.315,5.6) 57.353,5.562 57.353,4.9 ; 56.8,6.758 56.8,7.4
3V3_XBEE: C23.2 C25.1 U7.1 U8.2 | length 12.7
  Top Layer w0.2: U7.1@58.53,39.275 58.642,39.275 58.719,39.352 59.252,39.352 v1(59.4,39.5)
  Top Layer w0.5: v1(59.4,39.5) 60.2,39.5 60.9,38.8 60.9,37.74 v1(60.86,37.7) C25.1@60.9,37.66 ; v1(60.892,31.347) v1@60.9,31.354
  Signal 1 w0.5: v1(59.4,39.5) 60.798,38.101 60.798,37.762 v1(60.86,37.7) 60.876,37.684 60.876,31.363 v1(60.892,31.347)
5V: C11_ESC_1.2 C11_ESC_2.2 C11_ESC_3.2 C18.2 C20.2 C21_ESC_1.2 C21_ESC_2.2 C21_ESC_3.2 C22.2 C24.1 C26_ESC_1.1 C26_ESC_2.1 C26_ESC_3.1 C27.2 C28.2 C29.2 J_I2C.1 L2.2 R8_ESC_1.2 R8_ESC_2.2 R8_ESC_3.2 R38_ESC_1.2 R38_ESC_2.2 R38_ESC_3.2 U2_ESC_1.3 U2_ESC_1.4 U2_ESC_2.3 U2_ESC_2.4 U2_ESC_3.3 U2_ESC_3.4 U3_ESC_1.3 U3_ESC_1.4 U3_ESC_2.3 U3_ESC_2.4 U3_ESC_3.3 U3_ESC_3.4 U5.3 U5.4 U6.3 U6.4 U7.4 U7_ESC_1.3 U7_ESC_2.3 U7_ESC_3.3 U9.3 U10.1 | length 62.6
  Top Layer w0.127: U10.1@15.7,43.15 v1(15.7,44.1) ; U5.3@45.575,36.17 45.575,35.925 45.7,35.8 46.1,35.8 46.2,35.9 46.2,36.145 U5.4@46.225,36.17 ; C18.2@47,36 C18.2@47.1,35.9
  Top Layer w0.2: U5.4@46.225,36.17 46.297,36.17 46.319,36.148 46.852,36.148 C18.2@47,36 ; v1(57.5,38.5) 57.648,38.648 57.648,39.181 57.67,39.203 U7.4@57.67,39.275
  Top Layer w0.254: U10.1@15.7,43.1 U10.1@15.7,43.15 ; C18.2@47,36 v1(48,36) ; v1(55.5,43.3) J_I2C.1@55.5,43.762
  Top Layer w0.6: v1(20.225,43.652) C29.2@20.225,43.6 20.125,43.5 19.9,43.5 19.6,43.8 v1(19.6,44.6) v1(20.4,44.6) ; C29.2@20.375,43.5 20.325,43.5 20.225,43.4 C28.2@20.225,42.2 20.225,42.15 20.56,41.815 C27.2@20.56,41 20.56,40.29 21.275,39.575 L2.2@21.275,39.3 ; C29.2@20.375,43.6 20.375,44.375 20.4,44.4 v1(20.4,44.6) ; C29.2@20.425,43.5 C29.2@20.425,43.6 ; v1(21.3,44.6) v1(20.4,44.6)
  Signal 1 w0.254: v1(7,32.3) 9.05,32.3 11.75,35 v1(13.8,35)
  Bottom Layer w0.127: C11_ESC_1.2@15.33,6.425 15.33,6.45 15.8,6.92 15.8,7.175 ; U2_ESC_1.4@15.33,7.175 15.8,7.175 ; U2_ESC_1.3@15.33,7.825 15.675,7.825 15.8,7.7 15.8,7.175 ; U3_ESC_1.3@20.23,20.125 20.48,20.125 20.63,19.975 20.63,19.625 20.48,19.475 U3_ESC_1.4@20.23,19.475 20.23,18.87 C21_ESC_1.2@20.4,18.7 ; C20.2@22.7,44.8 22.8,44.7 23.475,44.7 ; U6.3@23.475,44.73 23.475,44.875 23.6,45 24,45 24.125,44.875 U6.4@24.125,44.73 ; C11_ESC_2.2@37.33,6.425 37.33,6.45 37.8,6.92 37.8,7.175 ; U2_ESC_2.4@37.33,7.175 37.8,7.175 ; U2_ESC_2.3@37.33,7.825 37.675,7.825 37.8,7.7 37.8,7.175 ; U3_ESC_2.3@42.23,20.125 42.48,20.125 42.63,19.975 42.63,19.625 42.48,19.475 U3_ESC_2.4@42.23,19.475 42.23,18.87 C21_ESC_2.2@42.4,18.7 ; C11_ESC_3.2@59.33,6.425 59.33,6.45 59.8,6.92 59.8,7.175 ; U2_ESC_3.4@59.33,7.175 59.8,7.175 ; U2_ESC_3.3@59.33,7.825 59.675,7.825 59.8,7.7 59.8,7.175 ; U3_ESC_3.3@64.23,20.125 64.48,20.125 64.63,19.975 64.63,19.625 64.48,19.475 U3_ESC_3.4@64.23,19.475 64.23,18.87 C21_ESC_3.2@64.4,18.7
  Bottom Layer w0.254: U9.3@6.045,33.275 6.078,33.242 6.858,33.242 C24.1@7,33.1 v1(7,32.3) ; U7_ESC_1.3@9.083,3.213 9.116,3.18 9.896,3.18 C26_ESC_1.1@10.038,3.038 9.921,2.921 9.921,1.433 9.738,1.25 9.738,0.738 v1(9.7,0.7) ; C11_ESC_1.2@15.333,6.425 15.333,6.397 15.478,6.252 15.506,6.252 v1(16.056,5.702) ; v1(19.5,17.6) 19.598,17.698 19.598,17.873 20.4,18.675 C21_ESC_1.2@20.4,18.7 ; v1(19.6,44.6) v1@20.225,44.6 ; v1(20.225,43.652) v1@20.225,44.6 ; v1@20.4,44.513 v1(20.4,44.6) ; C20.2@22.7,44.8 21.547,44.8 21.347,44.6 v1(21.3,44.6) v1(20.4,44.6) ; U7_ESC_2.3@31.082,3.212 31.115,3.18 31.895,3.18 C26_ESC_2.1@32.037,3.038 31.921,2.921 31.921,1.433 31.738,1.25 31.738,0.738 v1(31.7,0.7) ; C11_ESC_2.2@37.333,6.425 37.333,6.397 37.478,6.252 37.506,6.252 38.056,5.702 38.291,5.702 v1(38.318,5.729) ; v1(41.5,17.6) 41.598,17.698 41.598,17.873 42.4,18.675 C21_ESC_2.2@42.4,18.7 ; U7_ESC_3.3@53.082,3.212 53.115,3.18 53.895,3.18 C26_ESC_3.1@54.037,3.038 53.921,2.921 53.921,1.433 53.737,1.25 53.737,0.738 v1(53.7,0.7) ; C11_ESC_3.2@59.333,6.425 59.333,6.397 59.478,6.252 59.506,6.252 v1(60.056,5.702) ; v1(63.5,17.6) 63.598,17.698 63.598,17.873 64.4,18.675 C21_ESC_3.2@64.4,18.7 ; v1@20.225,44.6 v1(20.4,44.6)
  other v1: 21,9.9 43,9.9 65,9.9
5VREG_BST: C26.1 U10.6 | length 1.4
  Top Layer w0.254: C26.1@17.32,44.2 17.32,44.18 17.527,43.973 17.527,43.373 17.75,43.15 U10.6@17.9,43.15
5VREG_SW: C26.2 L2.1 U10.5 | length 6.9
  Top Layer w0.254: C26.2@18.2,44.2 18.2,44.18 19.1,43.28 19.1,42.051
  Top Layer w0.6: U10.5@17.9,42.2 18.951,42.2 19.1,42.051 19.1,40.55 18.425,39.875 18.725,39.575 L2.1@18.725,39.3